# Altium PCB top_LM_v2.PcbDoc (part 4 of 5) (continued)
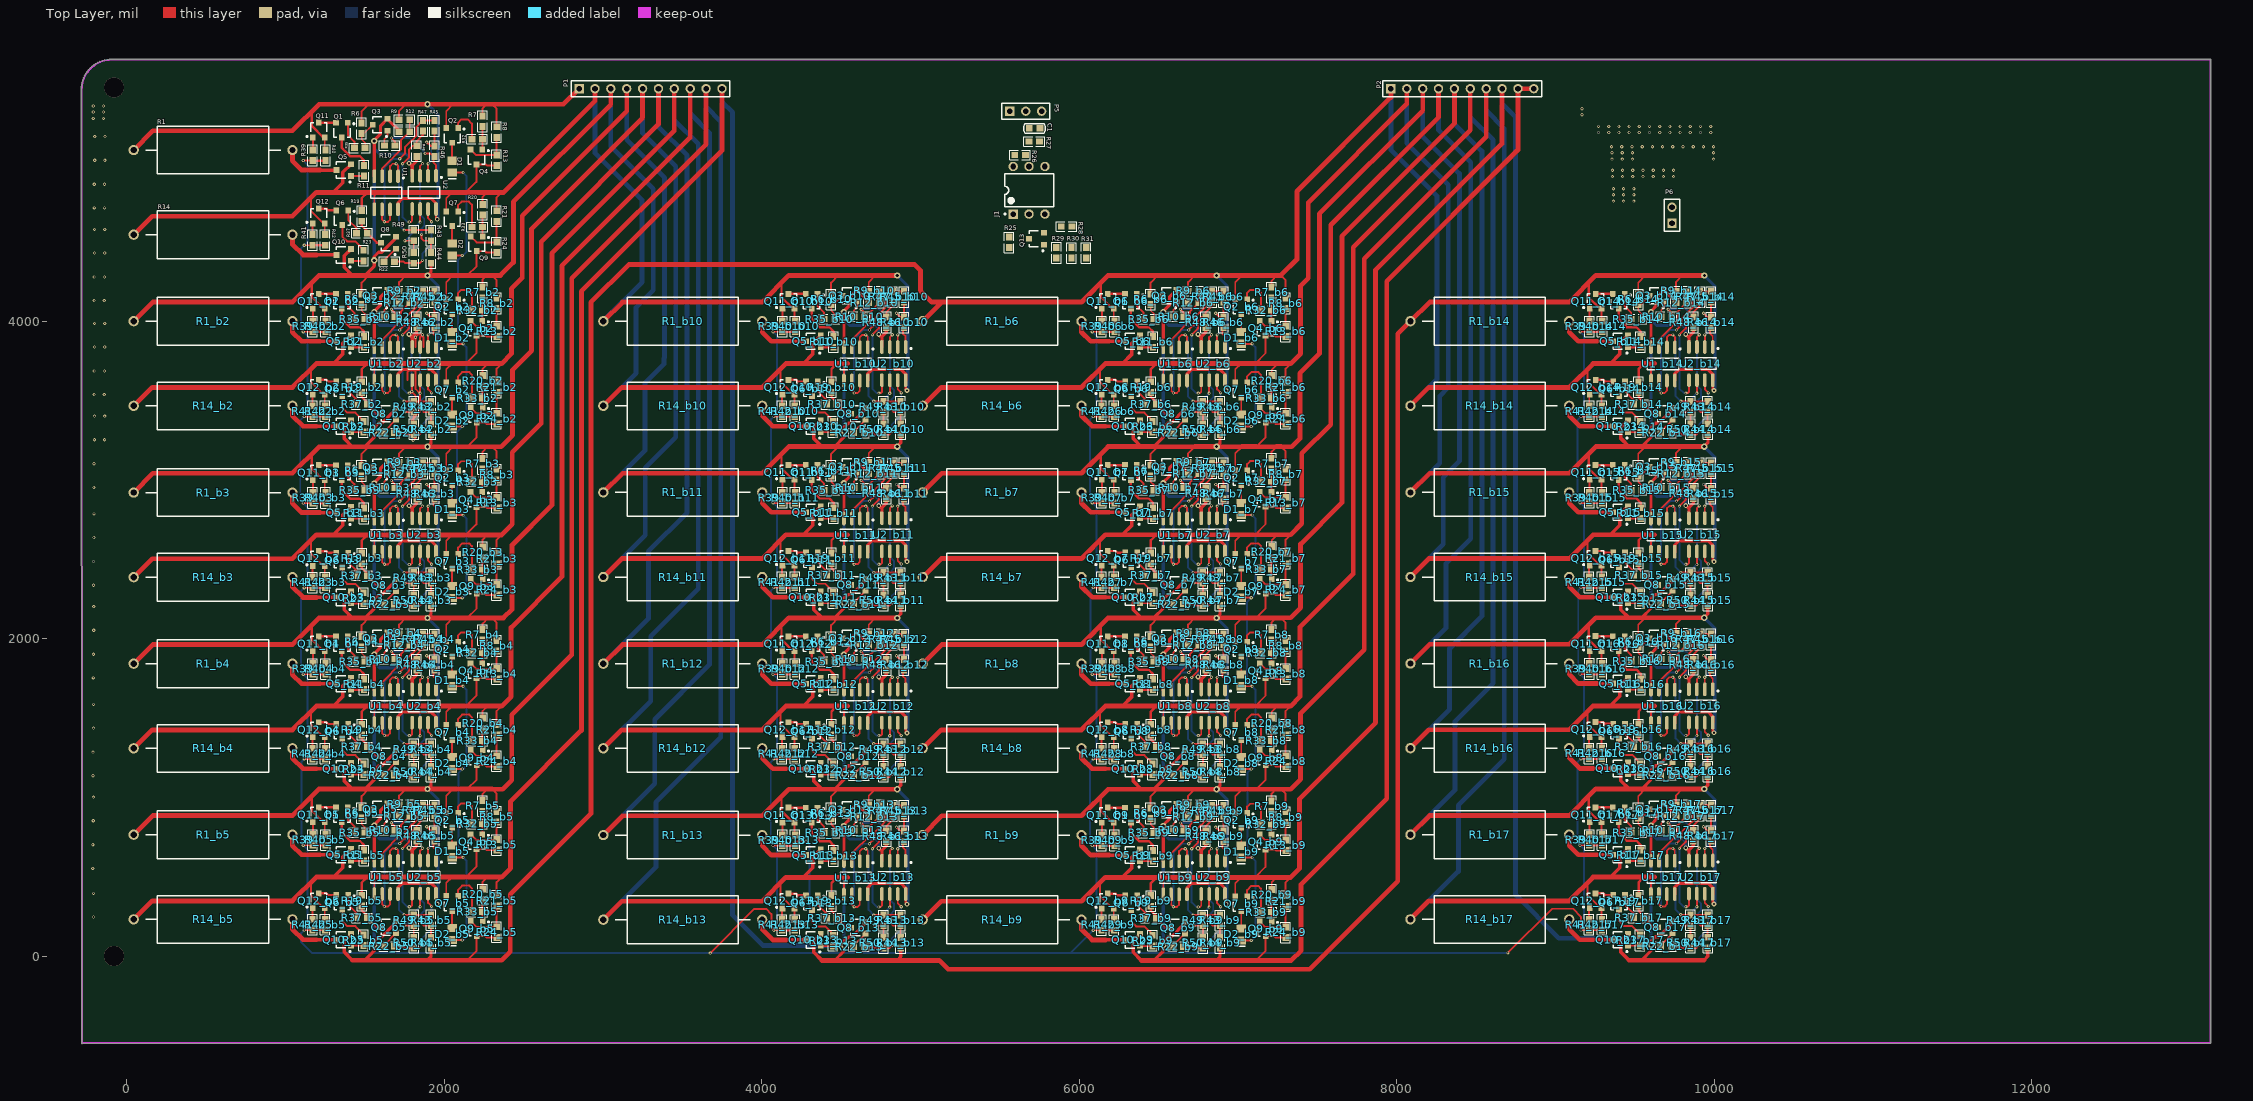
[diagram p0: Top Layer view]
## Nets (pads, with @x,y where several pads share a name; then routed paths per layer and width w, separated by ;. In a path a pad name is that pad's centre, name@x,y a point inside that pad or via, vN(x,y) a via of type N, cw(c..) or ccw(c..) an arc to the next point about the centre after c; other vN are vias at no path point) (continued)
NetQ4_1: Q4.1 R7.1 R32.1 | length 145.8
  Top Layer w12: Q4.1@2241.27,5079.8 R32.1@2241.27,5145.8 ; R32.1@2241.46,5146 2242,5146.54 R7.1@2242,5225.54
NetQ4_2: Q4.2 R8.1 R13.2 | length 290.8
  Top Layer w12: Q4.2@2166.46,5079.8 2201.17,5045.09 2330.87,5045.09 R13.2@2330.87,5047 R8.1@2330.87,5157.07
NetQ4_b2_1: Q4_b2.1 R7_b2.1 R32_b2.1 | length 146
  Top Layer w12: Q4_b2.1@2241.27,4001.8 2241.27,4146.8 R7_b2.1@2242,4147.54
NetQ4_b2_2: Q4_b2.2 R8_b2.1 R13_b2.2 | length 290.8
  Top Layer w12: Q4_b2.2@2166.46,4001.8 2201.17,3967.09 2330.87,3967.09 R13_b2.2@2330.87,3969 R8_b2.1@2330.87,4079.07
NetQ4_b3_1: Q4_b3.1 R7_b3.1 R32_b3.1 | length 145
  Top Layer w12: Q4_b3.1@2241.27,2922.8 R32_b3.1@2241.27,2988.8 ; R32_b3.1@2241.46,2989 R7_b3.1@2241.46,3068
NetQ4_b3_2: Q4_b3.2 R8_b3.1 R13_b3.2 | length 290.8
  Top Layer w12: Q4_b3.2@2166.46,2922.8 2201.17,2888.09 2330.87,2888.09 R13_b3.2@2330.87,2890 R8_b3.1@2330.87,3000.07
NetQ4_b4_1: Q4_b4.1 R7_b4.1 R32_b4.1 | length 145
  Top Layer w12: Q4_b4.1@2241.27,1844.8 R7_b4.1@2241.27,1989.8
NetQ4_b4_2: Q4_b4.2 R8_b4.1 R13_b4.2 | length 290.8
  Top Layer w12: Q4_b4.2@2166.46,1844.8 2201.17,1810.09 2330.87,1810.09 R13_b4.2@2330.87,1812 R8_b4.1@2330.87,1922.07
NetQ4_b5_1: Q4_b5.1 R7_b5.1 R32_b5.1 | length 145
  Top Layer w12: Q4_b5.1@2241.27,767.8 R7_b5.1@2241.27,912.8
NetQ4_b5_2: Q4_b5.2 R8_b5.1 R13_b5.2 | length 290.8
  Top Layer w12: Q4_b5.2@2166.46,767.8 2201.17,733.09 2330.87,733.09 R13_b5.2@2330.87,735 R8_b5.1@2330.87,845.07
NetQ4_b6_1: Q4_b6.1 R7_b6.1 R32_b6.1 | length 145
  Top Layer w12: Q4_b6.1@7210.52,4001.8 R7_b6.1@7210.52,4146.8
NetQ4_b6_2: Q4_b6.2 R8_b6.1 R13_b6.2 | length 290.8
  Top Layer w12: Q4_b6.2@7135.72,4001.8 7170.42,3967.09 7300.12,3967.09 R13_b6.2@7300.12,3969 R8_b6.1@7300.12,4079.07
NetQ4_b7_1: Q4_b7.1 R7_b7.1 R32_b7.1 | length 145
  Top Layer w12: Q4_b7.1@7210.52,2923.8 R7_b7.1@7210.52,3068.8
NetQ4_b7_2: Q4_b7.2 R8_b7.1 R13_b7.2 | length 290.8
  Top Layer w12: Q4_b7.2@7135.72,2923.8 7170.42,2889.09 7300.12,2889.09 R13_b7.2@7300.12,2891 R8_b7.1@7300.12,3001.07
NetQ4_b8_1: Q4_b8.1 R7_b8.1 R32_b8.1 | length 145
  Top Layer w12: Q4_b8.1@7210.52,1844.8 R7_b8.1@7210.52,1989.8
NetQ4_b8_2: Q4_b8.2 R8_b8.1 R13_b8.2 | length 290.8
  Top Layer w12: Q4_b8.2@7135.72,1844.8 7170.42,1810.09 7300.12,1810.09 R13_b8.2@7300.12,1812 R8_b8.1@7300.12,1922.07
NetQ4_b9_1: Q4_b9.1 R7_b9.1 R32_b9.1 | length 145
  Top Layer w12: Q4_b9.1@7210.52,765.8 R7_b9.1@7210.52,910.8
NetQ4_b9_2: Q4_b9.2 R8_b9.1 R13_b9.2 | length 290.8
  Top Layer w12: Q4_b9.2@7135.72,765.8 7170.42,731.09 7300.12,731.09 R13_b9.2@7300.12,733 R8_b9.1@7300.12,843.07
NetQ4_b10_1: 
NetQ4_b10_2: 
NetQ4_b11_1: 
NetQ4_b11_2: 
NetQ4_b12_1: 
NetQ4_b12_2: 
NetQ4_b13_1: 
NetQ4_b13_2: 
NetQ4_b14_1: 
NetQ4_b14_2: 
NetQ4_b15_1: 
NetQ4_b15_2: 
NetQ4_b16_1: 
NetQ4_b16_2: 
NetQ4_b17_1: 
NetQ4_b17_2: 
NetQ5_1: Q5.1 R11.1 | length 80.5
  Top Layer w15: Q5.1@1414.46,4913.8 R11.1@1495,4913.8
NetQ5_3: Q5.3 R1.1 | length 368.5
  Top Layer w22: 1219.72,4951.54 Q5.3@1321.61,4951.54
  Top Layer w30: R1.1@1045,5077.26 1045,5009.26 1102.72,4951.54 1219.72,4951.54
NetQ5_b2_1: Q5_b2.1 R11_b2.1 | length 80.5
  Top Layer w15: Q5_b2.1@1414.46,3835.8 R11_b2.1@1495,3835.8
NetQ5_b2_3: Q5_b2.3 R1_b2.1 | length 368.5
  Top Layer w22: 1219.72,3873.54 Q5_b2.3@1321.61,3873.53
  Top Layer w30: R1_b2.1@1045,3999.26 1045,3931.26 1102.72,3873.54 1219.72,3873.54
NetQ5_b3_1: Q5_b3.1 R11_b3.1 | length 80.5
  Top Layer w15: Q5_b3.1@1414.46,2756.8 R11_b3.1@1495,2756.8
NetQ5_b3_3: Q5_b3.3 R1_b3.1 | length 368.5
  Top Layer w22: 1219.72,2794.54 Q5_b3.3@1321.61,2794.54
  Top Layer w30: R1_b3.1@1045,2920.26 1045,2852.26 1102.72,2794.54 1219.72,2794.54
NetQ5_b4_1: Q5_b4.1 R11_b4.1 | length 80.5
  Top Layer w15: Q5_b4.1@1414.46,1678.8 R11_b4.1@1495,1678.8
NetQ5_b4_3: Q5_b4.3 R1_b4.1 | length 368.5
  Top Layer w22: 1219.72,1716.54 Q5_b4.3@1321.61,1716.53
  Top Layer w30: R1_b4.1@1045,1842.26 1045,1774.26 1102.72,1716.54 1219.72,1716.54
NetQ5_b5_1: Q5_b5.1 R11_b5.1 | length 80.5
  Top Layer w15: Q5_b5.1@1414.46,601.8 R11_b5.1@1495,601.8
NetQ5_b5_3: Q5_b5.3 R1_b5.1 | length 368.5
  Top Layer w22: 1219.72,639.54 Q5_b5.3@1321.61,639.53
  Top Layer w30: R1_b5.1@1045,765.26 1045,697.26 1102.72,639.54 1219.72,639.54
NetQ5_b6_1: Q5_b6.1 R11_b6.1 | length 80.5
  Top Layer w15: Q5_b6.1@6383.72,3835.8 R11_b6.1@6464.25,3835.8
NetQ5_b6_3: Q5_b6.3 R1_b6.1 | length 368.5
  Top Layer w22: 6188.98,3873.54 Q5_b6.3@6290.86,3873.54
  Top Layer w30: R1_b6.1@6014.25,3999.26 6014.25,3931.26 6071.98,3873.54 6188.98,3873.54
NetQ5_b7_1: Q5_b7.1 R11_b7.1 | length 80.5
  Top Layer w15: Q5_b7.1@6383.72,2757.8 R11_b7.1@6464.25,2757.8
NetQ5_b7_3: Q5_b7.3 R1_b7.1 | length 368.5
  Top Layer w22: 6188.98,2795.54 Q5_b7.3@6290.86,2795.53
  Top Layer w30: R1_b7.1@6014.25,2921.26 6014.25,2853.26 6071.98,2795.54 6188.98,2795.54
NetQ5_b8_1: Q5_b8.1 R11_b8.1 | length 80.5
  Top Layer w15: Q5_b8.1@6383.72,1678.8 R11_b8.1@6464.25,1678.8
NetQ5_b8_3: Q5_b8.3 R1_b8.1 | length 368.5
  Top Layer w22: 6188.98,1716.54 Q5_b8.3@6290.86,1716.54
  Top Layer w30: R1_b8.1@6014.25,1842.26 6014.25,1774.26 6071.98,1716.54 6188.98,1716.54
NetQ5_b9_1: Q5_b9.1 R11_b9.1 | length 80.5
  Top Layer w15: Q5_b9.1@6383.72,599.8 R11_b9.1@6464.25,599.8
NetQ5_b9_3: Q5_b9.3 R1_b9.1 | length 368.5
  Top Layer w22: 6188.98,637.54 Q5_b9.3@6290.86,637.53
  Top Layer w30: R1_b9.1@6014.25,763.26 6014.25,695.26 6071.98,637.54 6188.98,637.54
NetQ5_b10_1: Q5_b10.1 R11_b10.1 | length 80.5
  Top Layer w15: Q5_b10.1@4372.46,3835.8 R11_b10.1@4453,3835.8
NetQ5_b10_3: Q5_b10.3 R1_b10.1 | length 368.5
  Top Layer w22: 4177.72,3873.54 Q5_b10.3@4279.61,3873.53
  Top Layer w30: R1_b10.1@4003,3999.26 4003,3931.26 4060.72,3873.54 4177.72,3873.54
NetQ5_b11_1: Q5_b11.1 R11_b11.1 | length 80.5
  Top Layer w15: Q5_b11.1@4372.46,2757.8 R11_b11.1@4453,2757.8
NetQ5_b11_3: Q5_b11.3 R1_b11.1 | length 368.5
  Top Layer w22: 4177.72,2795.54 Q5_b11.3@4279.61,2795.54
  Top Layer w30: R1_b11.1@4003,2921.26 4003,2853.26 4060.72,2795.54 4177.72,2795.54
NetQ5_b12_1: Q5_b12.1 R11_b12.1 | length 80.5
  Top Layer w15: Q5_b12.1@4372.46,1678.8 R11_b12.1@4453,1678.8
NetQ5_b12_3: Q5_b12.3 R1_b12.1 | length 368.5
  Top Layer w22: 4177.72,1716.54 Q5_b12.3@4279.61,1716.54
  Top Layer w30: R1_b12.1@4003,1842.26 4003,1774.26 4060.72,1716.54 4177.72,1716.54
NetQ5_b13_1: Q5_b13.1 R11_b13.1 | length 80.5
  Top Layer w15: Q5_b13.1@4372.46,599.8 R11_b13.1@4453,599.8
NetQ5_b13_3: Q5_b13.3 R1_b13.1 | length 368.5
  Top Layer w22: 4177.72,637.54 Q5_b13.3@4279.61,637.54
  Top Layer w30: R1_b13.1@4003,763.26 4003,695.26 4060.72,637.54 4177.72,637.54
NetQ5_b14_1: Q5_b14.1 R11_b14.1 | length 80.5
  Top Layer w15: Q5_b14.1@9455.46,3835.8 R11_b14.1@9536,3835.8
NetQ5_b14_3: Q5_b14.3 R1_b14.1 | length 368.5
  Top Layer w22: 9260.72,3873.54 Q5_b14.3@9362.61,3873.54
  Top Layer w30: R1_b14.1@9086,3999.26 9086,3931.26 9143.72,3873.54 9260.72,3873.54
NetQ5_b15_1: Q5_b15.1 R11_b15.1 | length 80.5
  Top Layer w15: Q5_b15.1@9455.21,2757.8 R11_b15.1@9535.75,2757.8
NetQ5_b15_3: Q5_b15.3 R1_b15.1 | length 368.5
  Top Layer w22: 9260.47,2795.54 Q5_b15.3@9362.35,2795.54
  Top Layer w30: R1_b15.1@9085.75,2921.26 9085.75,2853.26 9143.47,2795.54 9260.47,2795.54
NetQ5_b16_1: Q5_b16.1 R11_b16.1 | length 80.5
  Top Layer w15: Q5_b16.1@9455.21,1679.8 R11_b16.1@9535.75,1679.8
NetQ5_b16_3: Q5_b16.3 R1_b16.1 | length 368.5
  Top Layer w22: 9260.47,1717.54 Q5_b16.3@9362.35,1717.54
  Top Layer w30: R1_b16.1@9085.75,1843.26 9085.75,1775.26 9143.47,1717.54 9260.47,1717.54
NetQ5_b17_1: Q5_b17.1 R11_b17.1 | length 80.5
  Top Layer w15: Q5_b17.1@9455.21,601.8 R11_b17.1@9535.75,601.8
NetQ5_b17_3: Q5_b17.3 R1_b17.1 | length 368.5
  Top Layer w22: 9260.47,639.54 Q5_b17.3@9362.35,639.54
  Top Layer w30: R1_b17.1@9085.75,765.26 9085.75,697.26 9143.47,639.54 9260.47,639.54
NetQ6_1: Q6.1 R37.2 | length 165.8
  Top Layer w12: Q6.1@1396.27,4697.8 1396.27,4636.6 1449.4,4583.46 R37.2@1449.4,4554
NetQ6_2: Q6.2 Q12.3 | length 114.9
  Top Layer w15: Q12.3@1211,4708.52 1258.74,4708.52 1269.46,4697.8 Q6.2@1321.46,4697.8
NetQ6_3: Q6.3 R23.2 | length 244.9
  Top Layer w12: Q6.3@1358.87,4605.28 1358.87,4532.54 1389.4,4502 1441.25,4502 1492.25,4451 R23.2@1492.25,4446
NetQ6_b2_1: Q6_b2.1 R37_b2.2 | length 165.8
  Top Layer w12: Q6_b2.1@1396.27,3619.8 1396.27,3558.6 1449.4,3505.46 R37_b2.2@1449.4,3476
NetQ6_b2_2: Q6_b2.2 Q12_b2.3 | length 114.9
  Top Layer w15: Q12_b2.3@1211,3630.52 1258.74,3630.52 1269.46,3619.8 Q6_b2.2@1321.46,3619.8
NetQ6_b2_3: Q6_b2.3 R23_b2.2 | length 244.9
  Top Layer w12: Q6_b2.3@1358.87,3527.28 1358.87,3454.54 1389.4,3424 1441.25,3424 1492.25,3373 R23_b2.2@1492.25,3368
NetQ6_b3_1: Q6_b3.1 R37_b3.2 | length 165.8
  Top Layer w12: Q6_b3.1@1396.27,2540.8 1396.27,2479.6 1449.4,2426.46 R37_b3.2@1449.4,2397
NetQ6_b3_2: Q6_b3.2 Q12_b3.3 | length 114.9
  Top Layer w15: Q12_b3.3@1211,2551.52 1258.74,2551.52 1269.46,2540.8 Q6_b3.2@1321.46,2540.8
NetQ6_b3_3: Q6_b3.3 R23_b3.2 | length 244.9
  Top Layer w12: Q6_b3.3@1358.87,2448.28 1358.87,2375.54 1389.4,2345 1441.25,2345 1492.25,2294 R23_b3.2@1492.25,2289
NetQ6_b4_1: Q6_b4.1 R37_b4.2 | length 165.8
  Top Layer w12: Q6_b4.1@1396.27,1462.8 1396.27,1401.6 1449.4,1348.46 R37_b4.2@1449.4,1319
NetQ6_b4_2: Q6_b4.2 Q12_b4.3 | length 114.9
  Top Layer w15: Q12_b4.3@1211,1473.52 1258.74,1473.52 1269.46,1462.8 Q6_b4.2@1321.46,1462.8
NetQ6_b4_3: Q6_b4.3 R23_b4.2 | length 244.9
  Top Layer w12: Q6_b4.3@1358.87,1370.28 1358.87,1297.54 1389.4,1267 1441.25,1267 1492.25,1216 R23_b4.2@1492.25,1211
NetQ6_b5_1: Q6_b5.1 R37_b5.2 | length 165.8
  Top Layer w12: Q6_b5.1@1396.27,385.8 1396.27,324.6 1449.4,271.46 R37_b5.2@1449.4,242
NetQ6_b5_2: Q6_b5.2 Q12_b5.3 | length 114.9
  Top Layer w15: Q12_b5.3@1211,396.52 1258.74,396.52 1269.46,385.8 Q6_b5.2@1321.46,385.8
NetQ6_b5_3: Q6_b5.3 R23_b5.2 | length 244.9
  Top Layer w12: Q6_b5.3@1358.87,293.28 1358.87,220.54 1389.4,190 1441.25,190 1492.25,139 R23_b5.2@1492.25,134
NetQ6_b6_1: Q6_b6.1 R37_b6.2 | length 165.8
  Top Layer w12: Q6_b6.1@6365.52,3619.8 6365.52,3558.6 6418.65,3505.46 R37_b6.2@6418.65,3476
NetQ6_b6_2: Q6_b6.2 Q12_b6.3 | length 114.9
  Top Layer w15: Q12_b6.3@6180.25,3630.52 6227.99,3630.52 6238.72,3619.8 Q6_b6.2@6290.72,3619.8
NetQ6_b6_3: Q6_b6.3 R23_b6.2 | length 244.9
  Top Layer w12: Q6_b6.3@6328.12,3527.28 6328.12,3454.54 6358.65,3424 6410.5,3424 6461.5,3373 R23_b6.2@6461.5,3368
NetQ6_b7_1: Q6_b7.1 R37_b7.2 | length 165.8
  Top Layer w12: Q6_b7.1@6365.52,2541.8 6365.52,2480.6 6418.65,2427.46 R37_b7.2@6418.65,2398
NetQ6_b7_2: Q6_b7.2 Q12_b7.3 | length 114.9
  Top Layer w15: Q12_b7.3@6180.25,2552.52 6227.99,2552.52 6238.72,2541.8 Q6_b7.2@6290.72,2541.8
NetQ6_b7_3: Q6_b7.3 R23_b7.2 | length 244.9
  Top Layer w12: Q6_b7.3@6328.12,2449.28 6328.12,2376.54 6358.65,2346 6410.5,2346 6461.5,2295 R23_b7.2@6461.5,2290
NetQ6_b8_1: Q6_b8.1 R37_b8.2 | length 165.8
  Top Layer w12: Q6_b8.1@6365.52,1462.8 6365.52,1401.6 6418.65,1348.46 R37_b8.2@6418.65,1319
NetQ6_b8_2: Q6_b8.2 Q12_b8.3 | length 114.9
  Top Layer w15: Q12_b8.3@6180.25,1473.52 6227.99,1473.52 6238.72,1462.8 Q6_b8.2@6290.72,1462.8
NetQ6_b8_3: Q6_b8.3 R23_b8.2 | length 244.9
  Top Layer w12: Q6_b8.3@6328.12,1370.28 6328.12,1297.54 6358.65,1267 6410.5,1267 6461.5,1216 R23_b8.2@6461.5,1211
NetQ6_b9_1: Q6_b9.1 R37_b9.2 | length 165.8
  Top Layer w12: Q6_b9.1@6365.52,383.8 6365.52,322.6 6418.65,269.46 R37_b9.2@6418.65,240
NetQ6_b9_2: Q6_b9.2 Q12_b9.3 | length 114.9
  Top Layer w15: Q12_b9.3@6180.25,394.52 6227.99,394.52 6238.72,383.8 Q6_b9.2@6290.72,383.8
NetQ6_b9_3: Q6_b9.3 R23_b9.2 | length 244.9
  Top Layer w12: Q6_b9.3@6328.12,291.28 6328.12,218.54 6358.65,188 6410.5,188 6461.5,137 R23_b9.2@6461.5,132
NetQ6_b10_1: Q6_b10.1 R37_b10.2 | length 165.8
  Top Layer w12: Q6_b10.1@4354.27,3619.8 4354.27,3558.6 4407.4,3505.46 R37_b10.2@4407.4,3476
NetQ6_b10_2: Q6_b10.2 Q12_b10.3 | length 114.9
  Top Layer w15: Q12_b10.3@4169,3630.52 4216.74,3630.52 4227.46,3619.8 Q6_b10.2@4279.46,3619.8
NetQ6_b10_3: Q6_b10.3 R23_b10.2 | length 244.9
  Top Layer w12: Q6_b10.3@4316.87,3527.28 4316.87,3454.54 4347.4,3424 4399.25,3424 4450.25,3373 R23_b10.2@4450.25,3368
NetQ6_b11_1: Q6_b11.1 R37_b11.2 | length 165.8
  Top Layer w12: Q6_b11.1@4354.27,2541.8 4354.27,2480.6 4407.4,2427.46 R37_b11.2@4407.4,2398
NetQ6_b11_2: Q6_b11.2 Q12_b11.3 | length 114.9
  Top Layer w15: Q12_b11.3@4169,2552.52 4216.74,2552.52 4227.46,2541.8 Q6_b11.2@4279.46,2541.8
NetQ6_b11_3: Q6_b11.3 R23_b11.2 | length 244.9
  Top Layer w12: Q6_b11.3@4316.87,2449.28 4316.87,2376.54 4347.4,2346 4399.25,2346 4450.25,2295 R23_b11.2@4450.25,2290
NetQ6_b12_1: Q6_b12.1 R37_b12.2 | length 165.8
  Top Layer w12: Q6_b12.1@4354.27,1462.8 4354.27,1401.6 4407.4,1348.46 R37_b12.2@4407.4,1319
NetQ6_b12_2: Q6_b12.2 Q12_b12.3 | length 114.9
  Top Layer w15: Q12_b12.3@4169,1473.52 4216.74,1473.52 4227.46,1462.8 Q6_b12.2@4279.46,1462.8
NetQ6_b12_3: Q6_b12.3 R23_b12.2 | length 244.9
  Top Layer w12: Q6_b12.3@4316.87,1370.28 4316.87,1297.54 4347.4,1267 4399.25,1267 4450.25,1216 R23_b12.2@4450.25,1211
NetQ6_b13_1: Q6_b13.1 R37_b13.2 | length 165.8
  Top Layer w12: Q6_b13.1@4354.27,383.8 4354.27,322.6 4407.4,269.46 R37_b13.2@4407.4,240
NetQ6_b13_2: Q6_b13.2 Q12_b13.3 | length 114.9
  Top Layer w15: Q12_b13.3@4169,394.52 4216.74,394.52 4227.46,383.8 Q6_b13.2@4279.46,383.8
NetQ6_b13_3: Q6_b13.3 R23_b13.2 | length 244.9
  Top Layer w12: Q6_b13.3@4316.87,291.28 4316.87,218.54 4347.4,188 4399.25,188 4450.25,137 R23_b13.2@4450.25,132
NetQ6_b14_1: Q6_b14.1 R37_b14.2 | length 165.8
  Top Layer w12: Q6_b14.1@9437.27,3619.8 9437.27,3558.6 9490.4,3505.46 R37_b14.2@9490.4,3476
NetQ6_b14_2: Q6_b14.2 Q12_b14.3 | length 114.9
  Top Layer w15: Q12_b14.3@9252,3630.52 9299.74,3630.52 9310.46,3619.8 Q6_b14.2@9362.46,3619.8
NetQ6_b14_3: Q6_b14.3 R23_b14.2 | length 244.9
  Top Layer w12: Q6_b14.3@9399.87,3527.28 9399.87,3454.54 9430.4,3424 9482.25,3424 9533.25,3373 R23_b14.2@9533.25,3368
NetQ6_b15_1: Q6_b15.1 R37_b15.2 | length 165.8
  Top Layer w12: Q6_b15.1@9437.02,2541.8 9437.02,2480.6 9490.15,2427.46 R37_b15.2@9490.15,2398
NetQ6_b15_2: Q6_b15.2 Q12_b15.3 | length 114.9
  Top Layer w15: Q12_b15.3@9251.75,2552.52 9299.49,2552.52 9310.21,2541.8 Q6_b15.2@9362.21,2541.8
NetQ6_b15_3: Q6_b15.3 R23_b15.2 | length 244.9
  Top Layer w12: Q6_b15.3@9399.61,2449.28 9399.61,2376.54 9430.15,2346 9482,2346 9533,2295 R23_b15.2@9533,2290
NetQ6_b16_1: Q6_b16.1 R37_b16.2 | length 165.8
  Top Layer w12: Q6_b16.1@9437.02,1463.8 9437.02,1402.6 9490.15,1349.46 R37_b16.2@9490.15,1320
NetQ6_b16_2: Q6_b16.2 Q12_b16.3 | length 114.9
  Top Layer w15: Q12_b16.3@9251.75,1474.52 9299.49,1474.52 9310.21,1463.8 Q6_b16.2@9362.21,1463.8
NetQ6_b16_3: Q6_b16.3 R23_b16.2 | length 244.9
  Top Layer w12: Q6_b16.3@9399.61,1371.28 9399.61,1298.54 9430.15,1268 9482,1268 9533,1217 R23_b16.2@9533,1212
NetQ6_b17_1: Q6_b17.1 R37_b17.2 | length 165.8
  Top Layer w12: Q6_b17.1@9437.02,385.8 9437.02,324.6 9490.15,271.46 R37_b17.2@9490.15,242
NetQ6_b17_2: Q6_b17.2 Q12_b17.3 | length 114.9
  Top Layer w15: Q12_b17.3@9251.75,396.52 9299.49,396.52 9310.21,385.8 Q6_b17.2@9362.21,385.8
NetQ6_b17_3: Q6_b17.3 R23_b17.2 | length 244.9
  Top Layer w12: Q6_b17.3@9399.61,293.28 9399.61,220.54 9430.15,190 9482,190 9533,139 R23_b17.2@9533,134
NetQ7_1: Q7.1 R33.2 | length 286.3
  Top Layer w12: Q7.1@2088.27,4690.8 2088.27,4731.27 2110,4753 2156,4753 2175.54,4733.46 R33.2@2175.54,4592
NetQ7_b2_1: Q7_b2.1 R33_b2.2 | length 292.6
  Top Layer w12: Q7_b2.1@2088.27,3612.8 2088.27,3652.94 2113.87,3678.54 2158.87,3678.54 2175.4,3662 R33_b2.2@2175.4,3514.13
NetQ7_b3_1: Q7_b3.1 R33_b3.2 | length 292.6
  Top Layer w12: Q7_b3.1@2088.27,2533.8 2088.27,2573.94 2113.87,2599.54 2158.87,2599.54 2175.4,2583 R33_b3.2@2175.4,2435.13
NetQ7_b4_1: Q7_b4.1 R33_b4.2 | length 292.6
  Top Layer w12: Q7_b4.1@2088.27,1455.8 2088.27,1495.94 2113.87,1521.54 2158.87,1521.54 2175.4,1505 R33_b4.2@2175.4,1357.13
NetQ7_b5_1: Q7_b5.1 R33_b5.2 | length 292.6
  Top Layer w12: Q7_b5.1@2088.27,378.8 2088.27,418.94 2113.87,444.54 2158.87,444.54 2175.4,428 R33_b5.2@2175.4,280.13
NetQ7_b6_1: Q7_b6.1 R33_b6.2 | length 292.6
  Top Layer w12: Q7_b6.1@7057.52,3612.8 7057.52,3652.94 7083.12,3678.54 7128.12,3678.54 7144.65,3662 R33_b6.2@7144.65,3514.13
NetQ7_b7_1: Q7_b7.1 R33_b7.2 | length 292.6
  Top Layer w12: Q7_b7.1@7057.52,2534.8 7057.52,2574.94 7083.12,2600.54 7128.12,2600.54 7144.65,2584 R33_b7.2@7144.65,2436.13
NetQ7_b8_1: Q7_b8.1 R33_b8.2 | length 292.6
  Top Layer w12: Q7_b8.1@7057.52,1455.8 7057.52,1495.94 7083.12,1521.54 7128.12,1521.54 7144.65,1505 R33_b8.2@7144.65,1357.13
NetQ7_b9_1: Q7_b9.1 R33_b9.2 | length 292.6
  Top Layer w12: Q7_b9.1@7057.52,376.8 7057.52,416.94 7083.12,442.54 7128.12,442.54 7144.65,426 R33_b9.2@7144.65,278.13
NetQ7_b10_1: 
NetQ7_b11_1: 
NetQ7_b12_1: 
NetQ7_b13_1: 
NetQ7_b14_1: 
NetQ7_b15_1: 
NetQ7_b16_1: 
NetQ7_b17_1: 
NetQ8_1: Q8.1 R22.2 | length 113.6
  Top Layer w12: R22.2@1621.54,4374.26 1621.54,4382.13 Q8.1@1696.26,4456.86
NetQ8_3: Q8.3 R19.1 R37.1 | length 202.3
  Top Layer w15: R19.1@1482.4,4628.54 R19.1@1481.87,4629.07 1481.87,4601 1516.33,4566.54 R37.1@1516.33,4554 1576.07,4494.26 Q8.3@1603.74,4494.26
NetQ8_b2_1: Q8_b2.1 R22_b2.2 | length 113.6
  Top Layer w12: R22_b2.2@1621.54,3296.26 1621.54,3304.13 Q8_b2.1@1696.26,3378.86
NetQ8_b2_3: Q8_b2.3 R19_b2.1 R37_b2.1 | length 202.3
  Top Layer w15: R19_b2.1@1482.4,3550.54 R19_b2.1@1481.87,3551.07 1481.87,3523 1516.33,3488.54 R37_b2.1@1516.33,3476 1576.07,3416.26 Q8_b2.3@1603.74,3416.26
NetQ8_b3_1: Q8_b3.1 R22_b3.2 | length 113.6
  Top Layer w12: R22_b3.2@1621.54,2217.26 1621.54,2225.13 Q8_b3.1@1696.26,2299.86
NetQ8_b3_3: Q8_b3.3 R19_b3.1 R37_b3.1 | length 202.3
  Top Layer w15: R19_b3.1@1482.4,2471.54 R19_b3.1@1481.87,2472.07 1481.87,2444 1516.33,2409.54 R37_b3.1@1516.33,2397 1576.07,2337.26 Q8_b3.3@1603.74,2337.26
NetQ8_b4_1: Q8_b4.1 R22_b4.2 | length 113.6
  Top Layer w12: R22_b4.2@1621.54,1139.26 1621.54,1147.13 Q8_b4.1@1696.26,1221.86
NetQ8_b4_3: Q8_b4.3 R19_b4.1 R37_b4.1 | length 202.3
  Top Layer w15: R19_b4.1@1482.4,1393.54 R19_b4.1@1481.87,1394.07 1481.87,1366 1516.33,1331.54 R37_b4.1@1516.33,1319 1576.07,1259.26 Q8_b4.3@1603.74,1259.26
NetQ8_b5_1: Q8_b5.1 R22_b5.2 | length 113.6
  Top Layer w12: R22_b5.2@1621.54,62.26 1621.54,70.13 Q8_b5.1@1696.26,144.86
NetQ8_b5_3: Q8_b5.3 R19_b5.1 R37_b5.1 | length 202.3
  Top Layer w15: R19_b5.1@1482.4,316.54 R19_b5.1@1481.87,317.07 1481.87,289 1516.33,254.54 R37_b5.1@1516.33,242 1576.07,182.26 Q8_b5.3@1603.74,182.26
NetQ8_b6_1: Q8_b6.1 R22_b6.2 | length 113.6
  Top Layer w12: R22_b6.2@6590.79,3296.26 6590.79,3304.13 Q8_b6.1@6665.51,3378.86
NetQ8_b6_3: Q8_b6.3 R19_b6.1 R37_b6.1 | length 202.3
  Top Layer w15: R19_b6.1@6451.65,3550.54 R19_b6.1@6451.12,3551.07 6451.12,3523 6485.58,3488.54 R37_b6.1@6485.58,3476 6545.32,3416.26 Q8_b6.3@6572.99,3416.26
NetQ8_b7_1: Q8_b7.1 R22_b7.2 | length 113.6
  Top Layer w12: R22_b7.2@6590.79,2218.26 6590.79,2226.13 Q8_b7.1@6665.51,2300.86
NetQ8_b7_3: Q8_b7.3 R19_b7.1 R37_b7.1 | length 202.3
  Top Layer w15: R19_b7.1@6451.65,2472.54 R19_b7.1@6451.12,2473.07 6451.12,2445 6485.58,2410.54 R37_b7.1@6485.58,2398 6545.32,2338.26 Q8_b7.3@6572.99,2338.26
NetQ8_b8_1: Q8_b8.1 R22_b8.2 | length 113.6
  Top Layer w12: R22_b8.2@6590.79,1139.26 6590.79,1147.13 Q8_b8.1@6665.51,1221.86
NetQ8_b8_3: Q8_b8.3 R19_b8.1 R37_b8.1 | length 202.3
  Top Layer w15: R19_b8.1@6451.65,1393.54 R19_b8.1@6451.12,1394.07 6451.12,1366 6485.58,1331.54 R37_b8.1@6485.58,1319 6545.32,1259.26 Q8_b8.3@6572.99,1259.26
NetQ8_b9_1: Q8_b9.1 R22_b9.2 | length 113.6
  Top Layer w12: R22_b9.2@6590.79,60.26 6590.79,68.13 Q8_b9.1@6665.51,142.86
NetQ8_b9_3: Q8_b9.3 R19_b9.1 R37_b9.1 | length 202.3
  Top Layer w15: R19_b9.1@6451.65,314.54 R19_b9.1@6451.12,315.07 6451.12,287 6485.58,252.54 R37_b9.1@6485.58,240 6545.32,180.26 Q8_b9.3@6572.99,180.26
NetQ8_b10_1: Q8_b10.1 R22_b10.2 | length 113.6
  Top Layer w12: R22_b10.2@4579.54,3296.26 4579.54,3304.13 Q8_b10.1@4654.26,3378.86
NetQ8_b10_3: Q8_b10.3 R19_b10.1 R37_b10.1 | length 202.3
  Top Layer w15: R19_b10.1@4440.4,3550.54 R19_b10.1@4439.87,3551.07 4439.87,3523 4474.33,3488.54 R37_b10.1@4474.33,3476 4534.07,3416.26 Q8_b10.3@4561.74,3416.26
NetQ8_b11_1: Q8_b11.1 R22_b11.2 | length 113.6
  Top Layer w12: R22_b11.2@4579.54,2218.26 4579.54,2226.13 Q8_b11.1@4654.26,2300.86
NetQ8_b11_3: Q8_b11.3 R19_b11.1 R37_b11.1 | length 202.3
  Top Layer w15: R19_b11.1@4440.4,2472.54 R19_b11.1@4439.87,2473.07 4439.87,2445 4474.33,2410.54 R37_b11.1@4474.33,2398 4534.07,2338.26 Q8_b11.3@4561.74,2338.26
NetQ8_b12_1: Q8_b12.1 R22_b12.2 | length 113.6
  Top Layer w12: R22_b12.2@4579.54,1139.26 4579.54,1147.13 Q8_b12.1@4654.26,1221.86
NetQ8_b12_3: Q8_b12.3 R19_b12.1 R37_b12.1 | length 202.3
  Top Layer w15: R19_b12.1@4440.4,1393.54 R19_b12.1@4439.87,1394.07 4439.87,1366 4474.33,1331.54 R37_b12.1@4474.33,1319 4534.07,1259.26 Q8_b12.3@4561.74,1259.26
NetQ8_b13_1: Q8_b13.1 R22_b13.2 | length 113.6
  Top Layer w12: R22_b13.2@4579.54,60.26 4579.54,68.13 Q8_b13.1@4654.26,142.86
NetQ8_b13_3: Q8_b13.3 R19_b13.1 R37_b13.1 | length 202.3
  Top Layer w15: R19_b13.1@4440.4,314.54 R19_b13.1@4439.87,315.07 4439.87,287 4474.33,252.54 R37_b13.1@4474.33,240 4534.07,180.26 Q8_b13.3@4561.74,180.26
NetQ8_b14_1: Q8_b14.1 R22_b14.2 | length 113.6
  Top Layer w12: R22_b14.2@9662.54,3296.26 9662.54,3304.13 Q8_b14.1@9737.26,3378.86
NetQ8_b14_3: Q8_b14.3 R19_b14.1 R37_b14.1 | length 202.3
  Top Layer w15: R19_b14.1@9523.4,3550.54 R19_b14.1@9522.87,3551.07 9522.87,3523 9557.33,3488.54 R37_b14.1@9557.33,3476 9617.07,3416.26 Q8_b14.3@9644.74,3416.26
NetQ8_b15_1: Q8_b15.1 R22_b15.2 | length 113.6
  Top Layer w12: R22_b15.2@9662.28,2218.26 9662.28,2226.13 Q8_b15.1@9737.01,2300.86
NetQ8_b15_3: Q8_b15.3 R19_b15.1 R37_b15.1 | length 202.3
  Top Layer w15: R19_b15.1@9523.15,2472.54 R19_b15.1@9522.61,2473.07 9522.61,2445 9557.08,2410.54 R37_b15.1@9557.08,2398 9616.82,2338.26 Q8_b15.3@9644.49,2338.26
NetQ8_b16_1: Q8_b16.1 R22_b16.2 | length 113.6
  Top Layer w12: R22_b16.2@9662.28,1140.26 9662.28,1148.13 Q8_b16.1@9737.01,1222.86
NetQ8_b16_3: Q8_b16.3 R19_b16.1 R37_b16.1 | length 202.3
  Top Layer w15: R19_b16.1@9523.15,1394.54 R19_b16.1@9522.61,1395.07 9522.61,1367 9557.08,1332.54 R37_b16.1@9557.08,1320 9616.82,1260.26 Q8_b16.3@9644.49,1260.26
NetQ8_b17_1: Q8_b17.1 R22_b17.2 | length 113.6
  Top Layer w12: R22_b17.2@9662.28,62.26 9662.28,70.13 Q8_b17.1@9737.01,144.86
NetQ8_b17_3: Q8_b17.3 R19_b17.1 R37_b17.1 | length 202.3
  Top Layer w15: R19_b17.1@9523.15,316.54 R19_b17.1@9522.61,317.07 9522.61,289 9557.08,254.54 R37_b17.1@9557.08,242 9616.82,182.26 Q8_b17.3@9644.49,182.26
NetQ9_1: Q9.1 R20.1 R33.1 | length 135
  Top Layer w12: Q9.1@2242.46,4532.99 R33.1@2242.46,4592 ; R33.1@2243,4592.54 R20.1@2243,4668.54
NetQ9_2: Q9.2 R21.1 R24.2 | length 309.5
  Top Layer w12: Q9.2@2167.46,4532.8 2204.26,4496 2328.87,4496 R24.2@2330.87,4498 R21.1@2330.87,4628.07
NetQ9_b2_1: Q9_b2.1 R20_b2.1 R33_b2.1 | length 135
  Top Layer w12: Q9_b2.1@2242.27,3454.8 R20_b2.1@2242.27,3589.8
NetQ9_b2_2: Q9_b2.2 R21_b2.1 R24_b2.2 | length 307.9
  Top Layer w12: Q9_b2.2@2167.46,3454.8 2202.26,3420 R24_b2.2@2330.87,3420 R21_b2.1@2330.87,3550.07
NetQ9_b3_1: Q9_b3.1 R20_b3.1 R33_b3.1 | length 135
  Top Layer w12: Q9_b3.1@2242.27,2375.8 R20_b3.1@2242.27,2510.8
NetQ9_b3_2: Q9_b3.2 R21_b3.1 R24_b3.2 | length 307.9
  Top Layer w12: Q9_b3.2@2167.46,2375.8 2202.26,2341 R24_b3.2@2330.87,2341 R21_b3.1@2330.87,2471.07
NetQ9_b4_1: Q9_b4.1 R20_b4.1 R33_b4.1 | length 135
  Top Layer w12: Q9_b4.1@2242.27,1297.8 R20_b4.1@2242.27,1432.8
NetQ9_b4_2: Q9_b4.2 R21_b4.1 R24_b4.2 | length 307.9
  Top Layer w12: Q9_b4.2@2167.46,1297.8 2202.26,1263 R24_b4.2@2330.87,1263 R21_b4.1@2330.87,1393.07
NetQ9_b5_1: Q9_b5.1 R20_b5.1 R33_b5.1 | length 135
  Top Layer w12: Q9_b5.1@2242.27,220.8 R20_b5.1@2242.27,355.8
NetQ9_b5_2: Q9_b5.2 R21_b5.1 R24_b5.2 | length 307.9
  Top Layer w12: Q9_b5.2@2167.46,220.8 2202.26,186 R24_b5.2@2330.87,186 R21_b5.1@2330.87,316.07
NetQ9_b6_1: Q9_b6.1 R20_b6.1 R33_b6.1 | length 135
  Top Layer w12: Q9_b6.1@7211.52,3454.8 R20_b6.1@7211.52,3589.8
NetQ9_b6_2: Q9_b6.2 R21_b6.1 R24_b6.2 | length 307.9
  Top Layer w12: Q9_b6.2@7136.72,3454.8 7171.51,3420 R24_b6.2@7300.12,3420 R21_b6.1@7300.12,3550.07
NetQ9_b7_1: Q9_b7.1 R20_b7.1 R33_b7.1 | length 135
  Top Layer w12: Q9_b7.1@7211.52,2376.8 R20_b7.1@7211.52,2511.8
NetQ9_b7_2: Q9_b7.2 R21_b7.1 R24_b7.2 | length 307.9
  Top Layer w12: Q9_b7.2@7136.72,2376.8 7171.51,2342 R24_b7.2@7300.12,2342 R21_b7.1@7300.12,2472.07
NetQ9_b8_1: Q9_b8.1 R20_b8.1 R33_b8.1 | length 135
  Top Layer w12: Q9_b8.1@7211.52,1297.8 R20_b8.1@7211.52,1432.8
NetQ9_b8_2: Q9_b8.2 R21_b8.1 R24_b8.2 | length 307.9
  Top Layer w12: Q9_b8.2@7136.72,1297.8 7171.51,1263 R24_b8.2@7300.12,1263 R21_b8.1@7300.12,1393.07
NetQ9_b9_1: Q9_b9.1 R20_b9.1 R33_b9.1 | length 135
  Top Layer w12: Q9_b9.1@7211.52,218.8 R20_b9.1@7211.52,353.8
NetQ9_b9_2: Q9_b9.2 R21_b9.1 R24_b9.2 | length 307.9
  Top Layer w12: Q9_b9.2@7136.72,218.8 7171.51,184 R24_b9.2@7300.12,184 R21_b9.1@7300.12,314.07
NetQ9_b10_1: 
NetQ9_b10_2: 
NetQ9_b11_1: 
NetQ9_b11_2: 
NetQ9_b12_1: 
NetQ9_b12_2: 
NetQ9_b13_1: 
NetQ9_b13_2: 
NetQ9_b14_1: 
NetQ9_b14_2: 
NetQ9_b15_1: 
NetQ9_b15_2: 
NetQ9_b16_1: 
NetQ9_b16_2: 
NetQ9_b17_1: 
NetQ9_b17_2: 
NetQ10_1: Q10.1 R23.1 | length 78.1
  Top Layer w12: Q10.1@1414.13,4379.13 R23.1@1492.19,4379.13
NetQ10_3: Q10.3 R14.1 | length 365.2
  Top Layer w22: 1196.87,4416.54 Q10.3@1321.61,4416.54
  Top Layer w30: R14.1@1045,4544.26 1045,4483.26 1111.72,4416.54 1196.87,4416.54
NetQ10_b2_1: Q10_b2.1 R23_b2.1 | length 78.1
  Top Layer w12: Q10_b2.1@1414.13,3301.13 R23_b2.1@1492.19,3301.13
NetQ10_b2_3: Q10_b2.3 R14_b2.1 | length 365.2
  Top Layer w22: 1196.87,3338.54 Q10_b2.3@1321.61,3338.53
  Top Layer w30: R14_b2.1@1045,3466.26 1045,3405.26 1111.72,3338.54 1196.87,3338.54
NetQ10_b3_1: Q10_b3.1 R23_b3.1 | length 78.1
  Top Layer w12: Q10_b3.1@1414.13,2222.13 R23_b3.1@1492.19,2222.13
NetQ10_b3_3: Q10_b3.3 R14_b3.1 | length 365.2
  Top Layer w22: 1196.87,2259.54 Q10_b3.3@1321.61,2259.54
  Top Layer w30: R14_b3.1@1045,2387.26 1045,2326.26 1111.72,2259.54 1196.87,2259.54
NetQ10_b4_1: Q10_b4.1 R23_b4.1 | length 78.1
  Top Layer w12: Q10_b4.1@1414.13,1144.13 R23_b4.1@1492.19,1144.13
NetQ10_b4_3: Q10_b4.3 R14_b4.1 | length 365.2
  Top Layer w22: 1196.87,1181.54 Q10_b4.3@1321.61,1181.53
  Top Layer w30: R14_b4.1@1045,1309.26 1045,1248.26 1111.72,1181.54 1196.87,1181.54